# Altium PCB LKS_Motor_0313.PcbDoc (part 4 of 4)
Units mm, origin at the board's own origin, x right, y up, seen from the top; angles counter-clockwise.
Board outline 109.77 x 15.02 mm, 2 copper layers (Top Layer, Bottom Layer); 107 components, 73 nets, 326 pads, 198 vias.
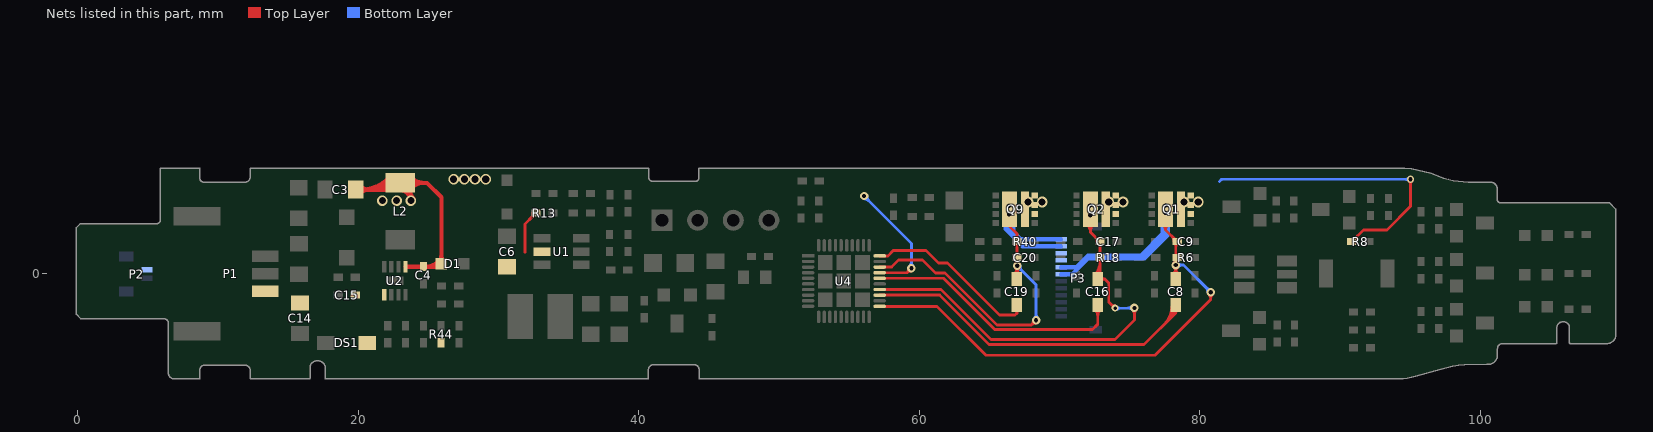
[diagram p4: the nets of this part, all layers, seen from the top]

## Via types
v1: diameter 0.635, hole 0.381, Top Layer to Bottom Layer, tented both sides, 102 vias
v2: diameter 0.6, hole 0.3, Top Layer to Bottom Layer, tented both sides, 36 vias
v3: diameter 0.508, hole 0.254, Top Layer to Bottom Layer, tented both sides, 19 vias
v4: diameter 0.762, hole 0.508, Top Layer to Bottom Layer, 10 vias
v5: diameter 0.5, hole 0.25, Top Layer to Bottom Layer, tented both sides, 8 vias
v6: diameter 0.6, hole 0.3, Top Layer to Bottom Layer, 6 vias
v7: diameter 0.508, hole 0.254, Top Layer to Bottom Layer, 5 vias
v8: diameter 0.5, hole 0.25, Top Layer to Bottom Layer, 4 vias
v9: diameter 0.762, hole 0.508, Top Layer to Bottom Layer, tented both sides, 4 vias
v10: diameter 0.762, hole 0.457, Top Layer to Bottom Layer, tented both sides, 3 vias
v11: diameter 0.508, hole 0.3, Top Layer to Bottom Layer, tented both sides, 1 vias

## Nets (pads, with @x,y where several pads share a name; then routed paths per layer and width w, separated by ;. In a path a pad name is that pad's centre, name@x,y a point inside that pad or via, vN(x,y) a via of type N, cw(c..) or ccw(c..) an arc to the next point about the centre after c; other vN are vias at no path point) (continued)
U: C19.1 C20.1 P3.1 P3.2 Q9.10 R40.2 U4.28 | length 125.5
  Top Layer w0.2: U4.28@57.17,0.47 58.026,0.47 58.522,0.965 60.223,0.965 61.151,0.038 61.836,0.038 65.532,-3.658 67.996,-3.658 ; C19.1@66.956,-0.375 R40.2@66.954,2.286 66.956,2.843 66.425,3.374 Q9.10@66.425,4.657 ; v2(68.326,-3.327) 67.996,-3.658 ; Q9.10@66.254,4.075 cw(c65.841,3.662) Q9.10@66.425,3.662 ; Q9.10@66.254,4.075 cw(c65.841,3.662) Q9.10@66.425,3.662 ; Q9.10@66.254,4.075 cw(c65.841,3.662) Q9.10@66.425,3.662 ; Q9.10@66.254,4.075 cw(c65.841,3.662) Q9.10@66.425,3.662 ; Q9.10@66.254,4.685 cw(c65.841,4.272) Q9.10@66.425,4.272 ; Q9.10@66.254,4.685 cw(c65.841,4.272) Q9.10@66.425,4.272 ; Q9.10@66.254,4.685 cw(c65.841,4.272) Q9.10@66.425,4.272 ; Q9.10@66.254,4.685 cw(c65.841,4.272) Q9.10@66.425,4.272 ; Q9.10@66.281,4.38 ccw(c66.088,4.657) Q9.10@66.425,4.657 ; Q9.10@66.281,4.38 ccw(c66.088,4.657) Q9.10@66.425,4.657 ; Q9.10@66.281,4.38 ccw(c66.088,4.657) Q9.10@66.425,4.657 ; Q9.10@66.281,4.38 ccw(c66.088,4.657) Q9.10@66.425,4.657 ; Q9.10@66.425,3.805 cw(c66.807,3.805) Q9.10@66.537,4.075 ; Q9.10@66.425,3.805 cw(c66.807,3.805) Q9.10@66.537,4.075 ; Q9.10@66.425,3.805 cw(c66.807,3.805) Q9.10@66.537,4.075 ; Q9.10@66.425,3.805 cw(c66.807,3.805) Q9.10@66.537,4.075 ; Q9.10@66.425,4.415 cw(c66.807,4.415) Q9.10@66.537,4.685 ; Q9.10@66.425,4.415 cw(c66.807,4.415) Q9.10@66.537,4.685 ; Q9.10@66.425,4.415 cw(c66.807,4.415) Q9.10@66.537,4.685 ; Q9.10@66.425,4.415 cw(c66.807,4.415) Q9.10@66.537,4.685 ; Q9.10@66.425,4.628 ccw(c66.807,4.628) Q9.10@66.537,4.358 ; Q9.10@66.425,4.628 ccw(c66.807,4.628) Q9.10@66.537,4.358 ; Q9.10@66.425,4.628 ccw(c66.807,4.628) Q9.10@66.537,4.358 ; Q9.10@66.425,4.628 ccw(c66.807,4.628) Q9.10@66.537,4.358 ; C19.1@66.757,-0.049 ccw(c66.278,0.431) v2@66.956,0.431 ; C19.1@66.757,-0.049 ccw(c66.278,0.431) v2@66.956,0.431 ; C19.1@66.757,-0.049 ccw(c66.278,0.431) v2@66.956,0.431 ; C19.1@66.757,-0.049 ccw(c66.278,0.431) v2@66.956,0.431 ; v2@66.838,0.417 cw(c66.554,0.133) 66.956,0.133 ; v2@66.838,0.417 cw(c66.554,0.133) 66.956,0.133 ; v2@66.838,0.417 cw(c66.554,0.133) 66.956,0.133 ; v2@66.838,0.417 cw(c66.554,0.133) 66.956,0.133 ; v2@66.838,0.7 ccw(c66.554,0.984) C20.1@66.956,0.984 ; v2@66.838,0.7 ccw(c66.554,0.984) C20.1@66.956,0.984 ; v2@66.838,0.7 ccw(c66.554,0.984) C20.1@66.956,0.984 ; v2@66.838,0.7 ccw(c66.554,0.984) C20.1@66.956,0.984 ; C20.1@66.846,1.034 cw(c66.579,0.767) v2@66.956,0.767 ; C20.1@66.846,1.034 cw(c66.579,0.767) v2@66.956,0.767 ; C20.1@66.846,1.034 cw(c66.579,0.767) v2@66.956,0.767 ; C20.1@66.846,1.034 cw(c66.579,0.767) v2@66.956,0.767 ; C20.1@66.846,1.252 ccw(c66.579,1.519) 66.956,1.519 ; C20.1@66.846,1.252 ccw(c66.579,1.519) 66.956,1.519 ; C20.1@66.846,1.252 ccw(c66.579,1.519) 66.956,1.519 ; C20.1@66.846,1.252 ccw(c66.579,1.519) 66.956,1.519 ; R40.2@66.846,2.177 cw(c66.579,1.91) 66.956,1.91 ; R40.2@66.846,2.177 cw(c66.579,1.91) 66.956,1.91 ; R40.2@66.846,2.177 cw(c66.579,1.91) 66.956,1.91 ; R40.2@66.846,2.177 cw(c66.579,1.91) 66.956,1.91 ; R40.2@66.846,2.395 ccw(c66.579,2.662) 66.956,2.662 ; R40.2@66.846,2.395 ccw(c66.579,2.662) 66.956,2.662 ; R40.2@66.846,2.395 ccw(c66.579,2.662) 66.956,2.662 ; R40.2@66.846,2.395 ccw(c66.579,2.662) 66.956,2.662 ; C19.1@66.956,0.019 cw(c67.52,0.019) v2@67.121,0.417 ; C19.1@66.956,0.019 cw(c67.52,0.019) v2@67.121,0.417 ; C19.1@66.956,0.019 cw(c67.52,0.019) v2@67.121,0.417 ; C19.1@66.956,0.019 cw(c67.52,0.019) v2@67.121,0.417 ; v2@66.956,0.431 ccw(c67.634,0.431) C19.1@67.155,-0.049 ; v2@66.956,0.431 ccw(c67.634,0.431) C19.1@67.155,-0.049 ; v2@66.956,0.431 ccw(c67.634,0.431) C19.1@67.155,-0.049 ; v2@66.956,0.431 ccw(c67.634,0.431) C19.1@67.155,-0.049 ; v2@66.956,0.775 cw(c67.322,0.775) C20.1@67.063,1.034 ; v2@66.956,0.775 cw(c67.322,0.775) C20.1@67.063,1.034 ; v2@66.956,0.775 cw(c67.322,0.775) C20.1@67.063,1.034 ; v2@66.956,0.775 cw(c67.322,0.775) C20.1@67.063,1.034 ; C20.1@66.956,1.099 ccw(c67.52,1.099) v2@67.121,0.7 ; C20.1@66.956,1.099 ccw(c67.52,1.099) v2@67.121,0.7 ; C20.1@66.956,1.099 ccw(c67.52,1.099) v2@67.121,0.7 ; C20.1@66.956,1.099 ccw(c67.52,1.099) v2@67.121,0.7 ; 66.956,1.511 ccw(c67.322,1.511) C20.1@67.063,1.252 ; 66.956,1.511 ccw(c67.322,1.511) C20.1@67.063,1.252 ; 66.956,1.511 ccw(c67.322,1.511) C20.1@67.063,1.252 ; 66.956,1.511 ccw(c67.322,1.511) C20.1@67.063,1.252 ; 66.956,1.918 cw(c67.322,1.918) R40.2@67.063,2.177 ; 66.956,1.918 cw(c67.322,1.918) R40.2@67.063,2.177 ; 66.956,1.918 cw(c67.322,1.918) R40.2@67.063,2.177 ; 66.956,1.918 cw(c67.322,1.918) R40.2@67.063,2.177 ; 66.956,2.654 ccw(c67.322,2.654) R40.2@67.063,2.395 ; 66.956,2.654 ccw(c67.322,2.654) R40.2@67.063,2.395 ; 66.956,2.654 ccw(c67.322,2.654) R40.2@67.063,2.395 ; 66.956,2.654 ccw(c67.322,2.654) R40.2@67.063,2.395 ; 67.996,-3.658 cw(c68.311,-3.972) v2@68.321,-3.527 ; 67.996,-3.658 ccw(c67.681,-3.343) v2@68.126,-3.332 ; 67.996,-3.658 cw(c68.311,-3.972) v2@68.321,-3.527 ; 67.996,-3.658 ccw(c67.681,-3.343) v2@68.126,-3.332 ; 67.996,-3.658 cw(c68.311,-3.972) v2@68.321,-3.527 ; 67.996,-3.658 ccw(c67.681,-3.343) v2@68.126,-3.332 ; 67.996,-3.658 cw(c68.311,-3.972) v2@68.321,-3.527 ; 67.996,-3.658 ccw(c67.681,-3.343) v2@68.126,-3.332
  Bottom Layer w0.2: v2(66.98,0.559) 68.326,-0.787 v2(68.326,-3.327) ; v2@66.98,0.359 cw(c66.98,-0.124) 67.321,0.217 ; v2@66.98,0.359 cw(c66.98,-0.124) 67.321,0.217 ; v2@66.98,0.359 cw(c66.98,-0.124) 67.321,0.217 ; v2@66.98,0.359 cw(c66.98,-0.124) 67.321,0.217 ; v2@67.18,0.559 ccw(c67.663,0.559) 67.321,0.217 ; v2@67.18,0.559 ccw(c67.663,0.559) 67.321,0.217 ; v2@67.18,0.559 ccw(c67.663,0.559) 67.321,0.217 ; v2@67.18,0.559 ccw(c67.663,0.559) 67.321,0.217 ; v2@68.185,-3.186 ccw(c67.843,-2.845) 68.326,-2.845 ; v2@68.185,-3.186 ccw(c67.843,-2.845) 68.326,-2.845 ; v2@68.185,-3.186 ccw(c67.843,-2.845) 68.326,-2.845 ; v2@68.185,-3.186 ccw(c67.843,-2.845) 68.326,-2.845 ; 68.326,-2.845 ccw(c68.809,-2.845) v2@68.467,-3.186 ; 68.326,-2.845 ccw(c68.809,-2.845) v2@68.467,-3.186 ; 68.326,-2.845 ccw(c68.809,-2.845) v2@68.467,-3.186 ; 68.326,-2.845 ccw(c68.809,-2.845) v2@68.467,-3.186
  Bottom Layer w0.3: v6(66.396,4.826) 66.396,3.251 67.195,2.452 ; v6@66.497,5.029 66.497,3.15 66.692,2.955 ; 66.87,2.777 66.7,2.946 66.7,5.029 ; 67.742,1.952 67.695,1.952 67.195,2.452 ; P3.2@70.104,1.952 67.365,1.952 66.142,3.175 66.142,5.029 ; P3.1@70.104,2.452 67.195,2.452 ; 66.142,3.241 cw(c67.371,3.241) v6@66.502,4.11 ; 66.142,3.241 cw(c67.371,3.241) v6@66.502,4.11 ; 66.142,3.241 cw(c67.371,3.241) v6@66.502,4.11 ; 66.142,3.241 cw(c67.371,3.241) v6@66.502,4.11 ; 66.142,3.851 cw(c67.371,3.851) v6@66.502,4.72 ; 66.142,3.851 cw(c67.371,3.851) v6@66.502,4.72 ; 66.142,3.851 cw(c67.371,3.851) v6@66.502,4.72 ; 66.142,3.851 cw(c67.371,3.851) v6@66.502,4.72 ; 66.142,3.965 cw(c66.647,3.965) v6@66.29,4.322 ; 66.142,3.965 cw(c66.647,3.965) v6@66.29,4.322 ; 66.142,3.965 cw(c66.647,3.965) v6@66.29,4.322 ; 66.142,3.965 cw(c66.647,3.965) v6@66.29,4.322 ; 66.142,4.426 ccw(c66.554,4.426) v6@66.305,4.097 ; 66.142,4.426 ccw(c66.554,4.426) v6@66.305,4.097 ; 66.142,4.426 ccw(c66.554,4.426) v6@66.305,4.097 ; 66.142,4.426 ccw(c66.554,4.426) v6@66.305,4.097 ; 66.142,4.575 cw(c66.647,4.575) v6@66.29,4.932 ; 66.142,4.575 cw(c66.647,4.575) v6@66.29,4.932 ; 66.142,4.575 cw(c66.647,4.575) v6@66.29,4.932 ; 66.142,4.575 cw(c66.647,4.575) v6@66.29,4.932 ; 66.142,5.029 ccw(c67.011,5.029) v6@66.486,4.336 ; 66.142,5.029 ccw(c67.011,5.029) v6@66.486,4.336 ; 66.142,5.029 ccw(c67.011,5.029) v6@66.486,4.336 ; 66.142,5.029 ccw(c67.011,5.029) v6@66.486,4.336 ; 66.142,5.029 66.7,5.029 ; v6@66.29,4.11 cw(c66.033,3.854) 66.396,3.854 ; v6@66.29,4.11 cw(c65.298,3.118) 66.7,3.118 ; v6@66.29,4.11 cw(c65.788,3.609) 66.497,3.609 ; v6@66.29,4.11 cw(c66.033,3.854) 66.396,3.854 ; v6@66.29,4.11 cw(c65.298,3.118) 66.7,3.118 ; v6@66.29,4.11 cw(c65.788,3.609) 66.497,3.609 ; v6@66.29,4.11 cw(c66.033,3.854) 66.396,3.854 ; v6@66.29,4.11 cw(c65.298,3.118) 66.7,3.118 ; v6@66.29,4.11 cw(c65.788,3.609) 66.497,3.609 ; v6@66.29,4.11 cw(c66.033,3.854) 66.396,3.854 ; v6@66.29,4.11 cw(c65.298,3.118) 66.7,3.118 ; v6@66.29,4.11 cw(c65.788,3.609) 66.497,3.609 ; v6@66.29,4.322 ccw(c66.033,4.579) v6@66.396,4.579 ; v6@66.29,4.322 ccw(c65.788,4.824) v6@66.497,4.824 ; v6@66.29,4.322 ccw(c66.033,4.579) v6@66.396,4.579 ; v6@66.29,4.322 ccw(c65.788,4.824) v6@66.497,4.824 ; v6@66.29,4.322 ccw(c66.033,4.579) v6@66.396,4.579 ; v6@66.29,4.322 ccw(c65.788,4.824) v6@66.497,4.824 ; v6@66.29,4.322 ccw(c66.033,4.579) v6@66.396,4.579 ; v6@66.29,4.322 ccw(c65.788,4.824) v6@66.497,4.824 ; v6@66.29,4.72 cw(c66.033,4.464) v6@66.396,4.464 ; v6@66.29,4.72 cw(c65.298,3.728) 66.7,3.728 ; v6@66.29,4.72 cw(c65.788,4.219) v6@66.497,4.219 ; v6@66.29,4.72 cw(c66.033,4.464) v6@66.396,4.464 ; v6@66.29,4.72 cw(c65.298,3.728) 66.7,3.728 ; v6@66.29,4.72 cw(c65.788,4.219) v6@66.497,4.219 ; v6@66.29,4.72 cw(c66.033,4.464) v6@66.396,4.464 ; v6@66.29,4.72 cw(c65.298,3.728) 66.7,3.728 ; v6@66.29,4.72 cw(c65.788,4.219) v6@66.497,4.219 ; v6@66.29,4.72 cw(c66.033,4.464) v6@66.396,4.464 ; v6@66.29,4.72 cw(c65.298,3.728) 66.7,3.728 ; v6@66.29,4.72 cw(c65.788,4.219) v6@66.497,4.219 ; v6@66.317,4.344 ccw(c65.897,5.029) 66.7,5.029 ; v6@66.317,4.344 ccw(c65.897,5.029) 66.7,5.029 ; v6@66.317,4.344 ccw(c65.897,5.029) 66.7,5.029 ; v6@66.317,4.344 ccw(c65.897,5.029) 66.7,5.029 ; 66.396,3.854 cw(c66.758,3.854) v6@66.502,4.11 ; 66.396,3.854 cw(c66.758,3.854) v6@66.502,4.11 ; 66.396,3.854 cw(c66.758,3.854) v6@66.502,4.11 ; 66.396,3.854 cw(c66.758,3.854) v6@66.502,4.11 ; v6@66.396,4.464 cw(c66.758,4.464) v6@66.502,4.72 ; v6@66.396,4.464 cw(c66.758,4.464) v6@66.502,4.72 ; v6@66.396,4.464 cw(c66.758,4.464) v6@66.502,4.72 ; v6@66.396,4.464 cw(c66.758,4.464) v6@66.502,4.72 ; v6@66.396,4.579 ccw(c66.758,4.579) v6@66.502,4.322 ; v6@66.396,4.579 ccw(c66.758,4.579) v6@66.502,4.322 ; v6@66.396,4.579 ccw(c66.758,4.579) v6@66.502,4.322 ; v6@66.396,4.579 ccw(c66.758,4.579) v6@66.502,4.322 ; v6@66.474,4.089 ccw(c66.226,4.493) 66.7,4.493 ; v6@66.474,4.089 ccw(c66.226,4.493) 66.7,4.493 ; v6@66.474,4.089 ccw(c66.226,4.493) 66.7,4.493 ; v6@66.474,4.089 ccw(c66.226,4.493) 66.7,4.493 ; v6@66.502,4.322 cw(c66.022,3.843) 66.7,3.843 ; v6@66.502,4.322 cw(c66.022,3.843) 66.7,3.843 ; v6@66.502,4.322 cw(c66.022,3.843) 66.7,3.843 ; v6@66.502,4.322 cw(c66.022,3.843) 66.7,3.843 ; v6@66.502,4.932 cw(c66.022,4.452) 66.7,4.452 ; v6@66.502,4.932 cw(c66.022,4.452) 66.7,4.452 ; v6@66.502,4.932 cw(c66.022,4.452) 66.7,4.452 ; v6@66.502,4.932 cw(c66.022,4.452) 66.7,4.452
  other v6: 66.396,4.216
V: C16.1 C17.1 P3.3 P3.4 Q2.10 R18.2 U4.24 | length 73.4
  Top Layer w0.2: U4.24@57.17,-1.13 61.531,-1.13 65.1,-4.699 73.939,-4.699 75.336,-3.302 v2(75.336,-2.438) ; v6(72.187,4.851) 72.187,2.972 ; C16.1@73.001,-0.737 72.72,-0.456 C16.1@72.72,-0.375 ; v5(73.965,-2.464) 73.508,-2.007 73.508,-0.66 73.222,-0.375 ; Q2.10@71.926,3.502 cw(c71.516,2.972) 72.187,2.972 ; Q2.10@71.926,3.502 cw(c71.516,2.972) 72.187,2.972 ; Q2.10@71.926,3.502 cw(c71.516,2.972) 72.187,2.972 ; Q2.10@71.926,3.502 cw(c71.516,2.972) 72.187,2.972 ; Q2.10@72.045,4.024 cw(c71.704,3.683) Q2.10@72.187,3.683 ; Q2.10@72.045,4.024 cw(c71.704,3.683) Q2.10@72.187,3.683 ; Q2.10@72.045,4.024 cw(c71.704,3.683) Q2.10@72.187,3.683 ; Q2.10@72.045,4.024 cw(c71.704,3.683) Q2.10@72.187,3.683 ; Q2.10@72.045,4.307 ccw(c71.704,4.648) Q2.10@72.187,4.648 ; Q2.10@72.045,4.307 ccw(c71.704,4.648) Q2.10@72.187,4.648 ; Q2.10@72.045,4.307 ccw(c71.704,4.648) Q2.10@72.187,4.648 ; Q2.10@72.045,4.307 ccw(c71.704,4.648) Q2.10@72.187,4.648 ; Q2.10@72.045,4.71 cw(c71.704,4.369) Q2.10@72.187,4.369 ; Q2.10@72.045,4.71 cw(c71.704,4.369) Q2.10@72.187,4.369 ; Q2.10@72.045,4.71 cw(c71.704,4.369) Q2.10@72.187,4.369 ; Q2.10@72.045,4.71 cw(c71.704,4.369) Q2.10@72.187,4.369 ; 72.187,2.972 cw(c72.844,2.972) Q2.10@72.451,3.498 ; 72.187,2.972 cw(c72.844,2.972) Q2.10@72.451,3.498 ; 72.187,2.972 cw(c72.844,2.972) Q2.10@72.451,3.498 ; 72.187,2.972 cw(c72.844,2.972) Q2.10@72.451,3.498 ; 72.187,2.972 72.642,2.516 72.642,2.44 72.796,2.286 C17.1@72.873,2.286 R18.2@72.873,1.143 72.873,-0.222 C16.1@72.72,-0.375 ; Q2.10@72.187,3.683 cw(c72.67,3.683) Q2.10@72.328,4.024 ; Q2.10@72.187,3.683 cw(c72.67,3.683) Q2.10@72.328,4.024 ; Q2.10@72.187,3.683 cw(c72.67,3.683) Q2.10@72.328,4.024 ; Q2.10@72.187,3.683 cw(c72.67,3.683) Q2.10@72.328,4.024 ; Q2.10@72.187,4.369 cw(c72.67,4.369) Q2.10@72.328,4.71 ; Q2.10@72.187,4.369 cw(c72.67,4.369) Q2.10@72.328,4.71 ; Q2.10@72.187,4.369 cw(c72.67,4.369) Q2.10@72.328,4.71 ; Q2.10@72.187,4.369 cw(c72.67,4.369) Q2.10@72.328,4.71 ; Q2.10@72.187,4.648 ccw(c72.67,4.648) Q2.10@72.328,4.307 ; Q2.10@72.187,4.648 ccw(c72.67,4.648) Q2.10@72.328,4.307 ; Q2.10@72.187,4.648 ccw(c72.67,4.648) Q2.10@72.328,4.307 ; Q2.10@72.187,4.648 ccw(c72.67,4.648) Q2.10@72.328,4.307 ; 72.48,2.679 cw(c72.087,2.286) C17.1@72.642,2.286 ; 72.48,2.679 cw(c72.087,2.286) C17.1@72.642,2.286 ; 72.48,2.679 cw(c72.087,2.286) C17.1@72.642,2.286 ; 72.48,2.679 cw(c72.087,2.286) C17.1@72.642,2.286 ; C16.1@72.522,-0.049 ccw(c71.674,0.799) 72.873,0.799 ; C16.1@72.522,-0.049 ccw(c71.674,0.799) 72.873,0.799 ; C16.1@72.522,-0.049 ccw(c71.674,0.799) 72.873,0.799 ; C16.1@72.522,-0.049 ccw(c71.674,0.799) 72.873,0.799 ; C16.1@72.663,-0.191 ccw(c72.157,0.316) 72.873,0.316 ; C16.1@72.663,-0.191 ccw(c72.157,0.316) 72.873,0.316 ; C16.1@72.663,-0.191 ccw(c72.157,0.316) 72.873,0.316 ; C16.1@72.663,-0.191 ccw(c72.157,0.316) 72.873,0.316 ; C16.1@72.72,-0.375 73.222,-0.375 ; R18.2@72.764,1.034 cw(c72.501,0.771) 72.873,0.771 ; R18.2@72.764,1.034 cw(c72.501,0.771) 72.873,0.771 ; R18.2@72.764,1.034 cw(c72.501,0.771) 72.873,0.771 ; R18.2@72.764,1.034 cw(c72.501,0.771) 72.873,0.771 ; R18.2@72.764,1.252 ccw(c72.501,1.515) 72.873,1.515 ; R18.2@72.764,1.252 ccw(c72.501,1.515) 72.873,1.515 ; R18.2@72.764,1.252 ccw(c72.501,1.515) 72.873,1.515 ; R18.2@72.764,1.252 ccw(c72.501,1.515) 72.873,1.515 ; C17.1@72.764,2.177 cw(c72.501,1.914) 72.873,1.914 ; C17.1@72.764,2.177 cw(c72.501,1.914) 72.873,1.914 ; C17.1@72.764,2.177 cw(c72.501,1.914) 72.873,1.914 ; C17.1@72.764,2.177 cw(c72.501,1.914) 72.873,1.914 ; 72.873,0.771 cw(c73.244,0.771) R18.2@72.981,1.034 ; 72.873,0.771 cw(c73.244,0.771) R18.2@72.981,1.034 ; 72.873,0.771 cw(c73.244,0.771) R18.2@72.981,1.034 ; 72.873,0.771 cw(c73.244,0.771) R18.2@72.981,1.034 ; 72.873,1.515 ccw(c73.244,1.515) R18.2@72.981,1.252 ; 72.873,1.515 ccw(c73.244,1.515) R18.2@72.981,1.252 ; 72.873,1.515 ccw(c73.244,1.515) R18.2@72.981,1.252 ; 72.873,1.515 ccw(c73.244,1.515) R18.2@72.981,1.252 ; 72.873,1.914 cw(c73.244,1.914) C17.1@72.981,2.177 ; 72.873,1.914 cw(c73.244,1.914) C17.1@72.981,2.177 ; 72.873,1.914 cw(c73.244,1.914) C17.1@72.981,2.177 ; 72.873,1.914 cw(c73.244,1.914) C17.1@72.981,2.177 ; C16.1@72.96,-0.522 cw(c73.222,-0.682) 73.222,-0.375 ; C16.1@72.96,-0.522 cw(c73.222,-0.682) 73.222,-0.375 ; C16.1@72.96,-0.522 cw(c73.222,-0.682) 73.222,-0.375 ; C16.1@72.96,-0.522 cw(c73.222,-0.682) 73.222,-0.375 ; C16.1@72.96,-0.228 ccw(c73.222,-0.067) 73.222,-0.375 ; C16.1@72.96,-0.228 ccw(c73.222,-0.067) 73.222,-0.375 ; C16.1@72.96,-0.228 ccw(c73.222,-0.067) 73.222,-0.375 ; C16.1@72.96,-0.228 ccw(c73.222,-0.067) 73.222,-0.375 ; 73.709,-2.208 cw(c73.453,-2.464) v5@73.815,-2.464 ; 73.709,-2.208 ccw(c73.965,-1.952) v5@73.965,-2.314 ; 73.709,-2.208 cw(c73.453,-2.464) v5@73.815,-2.464 ; 73.709,-2.208 ccw(c73.965,-1.952) v5@73.965,-2.314 ; 73.709,-2.208 cw(c73.453,-2.464) v5@73.815,-2.464 ; 73.709,-2.208 ccw(c73.965,-1.952) v5@73.965,-2.314 ; 73.709,-2.208 cw(c73.453,-2.464) v5@73.815,-2.464 ; 73.709,-2.208 ccw(c73.965,-1.952) v5@73.965,-2.314 ; v2@75.195,-2.58 cw(c74.854,-2.921) 75.336,-2.921 ; v2@75.195,-2.58 cw(c74.854,-2.921) 75.336,-2.921 ; v2@75.195,-2.58 cw(c74.854,-2.921) 75.336,-2.921 ; v2@75.195,-2.58 cw(c74.854,-2.921) 75.336,-2.921 ; 75.336,-2.921 cw(c75.819,-2.921) v2@75.478,-2.58 ; 75.336,-2.921 cw(c75.819,-2.921) v2@75.478,-2.58 ; 75.336,-2.921 cw(c75.819,-2.921) v2@75.478,-2.58 ; 75.336,-2.921 cw(c75.819,-2.921) v2@75.478,-2.58
  Bottom Layer w0.2: v5(73.965,-2.464) 75.311,-2.464 v2(75.336,-2.438) ; v5@74.071,-2.57 cw(c74.327,-2.826) 74.327,-2.464 ; v5@74.071,-2.57 cw(c74.327,-2.826) 74.327,-2.464 ; v5@74.071,-2.57 cw(c74.327,-2.826) 74.327,-2.464 ; v5@74.071,-2.57 cw(c74.327,-2.826) 74.327,-2.464 ; v5@74.071,-2.358 ccw(c74.327,-2.102) 74.327,-2.464 ; v5@74.071,-2.358 ccw(c74.327,-2.102) 74.327,-2.464 ; v5@74.071,-2.358 ccw(c74.327,-2.102) 74.327,-2.464 ; v5@74.071,-2.358 ccw(c74.327,-2.102) 74.327,-2.464 ; 74.792,-2.464 ccw(c74.792,-1.894) v2@75.195,-2.297 ; 74.792,-2.464 ccw(c74.792,-1.894) v2@75.195,-2.297 ; 74.792,-2.464 ccw(c74.792,-1.894) v2@75.195,-2.297 ; 74.792,-2.464 ccw(c74.792,-1.894) v2@75.195,-2.297 ; 74.915,-2.464 cw(c74.915,-2.86) v2@75.195,-2.58 ; 74.915,-2.464 cw(c74.915,-2.86) v2@75.195,-2.58 ; 74.915,-2.464 cw(c74.915,-2.86) v2@75.195,-2.58 ; 74.915,-2.464 cw(c74.915,-2.86) v2@75.195,-2.58
  other v6: 72.187,4.166
VB1: C19.2 U4.30 | length 14.6
  Top Layer w0.2: U4.30@57.17,1.27 57.76,1.27 58.141,1.651 60.477,1.651 61.367,0.762 62.002,0.762 65.71,-2.946 66.827,-2.946 66.956,-2.818 ; C19.2@66.956,-2.229 66.956,-2.818 ; C19.2@66.827,-2.606 cw(c66.717,-2.818) 66.956,-2.818 ; C19.2@66.827,-2.606 cw(c66.717,-2.818) 66.956,-2.818 ; C19.2@66.827,-2.606 cw(c66.717,-2.818) 66.956,-2.818 ; C19.2@66.827,-2.606 cw(c66.717,-2.818) 66.956,-2.818 ; 66.956,-2.818 cw(c67.195,-2.818) C19.2@67.085,-2.606 ; 66.956,-2.818 cw(c67.195,-2.818) C19.2@67.085,-2.606 ; 66.956,-2.818 cw(c67.195,-2.818) C19.2@67.085,-2.606 ; 66.956,-2.818 cw(c67.195,-2.818) C19.2@67.085,-2.606
VB2: C16.2 U4.26 | length 22.5
  Top Layer w0.2: U4.26@57.17,-0.33 61.722,-0.33 65.38,-3.988 72.339,-3.988 72.72,-3.607 C16.2@72.72,-2.629 ; C16.2@72.522,-2.555 cw(c72.042,-3.034) 72.72,-3.034 ; C16.2@72.522,-2.555 cw(c72.042,-3.034) 72.72,-3.034 ; C16.2@72.522,-2.555 cw(c72.042,-3.034) 72.72,-3.034 ; C16.2@72.522,-2.555 cw(c72.042,-3.034) 72.72,-3.034 ; 72.72,-3.034 cw(c73.399,-3.034) C16.2@72.919,-2.555 ; 72.72,-3.034 cw(c73.399,-3.034) C16.2@72.919,-2.555 ; 72.72,-3.034 cw(c73.399,-3.034) C16.2@72.919,-2.555 ; 72.72,-3.034 cw(c73.399,-3.034) C16.2@72.919,-2.555
VB3: C8.2 U4.23 | length 37.8
  Top Layer w0.2: U4.23@57.17,-1.53 61.449,-1.53 64.973,-5.055 76.022,-5.055 78.28,-2.797 ; C8.2@78.28,-2.229 78.28,-2.797 ; 77.488,-3.589 ccw(c76.255,-2.356) C8.2@77.999,-2.356 ; 77.488,-3.589 ccw(c76.255,-2.356) C8.2@77.999,-2.356 ; 77.488,-3.589 ccw(c76.255,-2.356) C8.2@77.999,-2.356 ; 77.488,-3.589 ccw(c76.255,-2.356) C8.2@77.999,-2.356 ; 77.829,-3.247 ccw(c76.938,-2.356) C8.2@78.199,-2.356 ; 77.829,-3.247 ccw(c76.938,-2.356) C8.2@78.199,-2.356 ; 77.829,-3.247 ccw(c76.938,-2.356) C8.2@78.199,-2.356 ; 77.829,-3.247 ccw(c76.938,-2.356) C8.2@78.199,-2.356 ; C8.2@78.161,-2.611 cw(c78.074,-2.797) 78.28,-2.797 ; C8.2@78.161,-2.611 cw(c78.074,-2.797) 78.28,-2.797 ; C8.2@78.161,-2.611 cw(c78.074,-2.797) 78.28,-2.797 ; C8.2@78.161,-2.611 cw(c78.074,-2.797) 78.28,-2.797 ; 78.171,-2.906 ccw(c77.621,-2.356) C8.2@78.399,-2.356 ; 78.171,-2.906 ccw(c77.621,-2.356) C8.2@78.399,-2.356 ; 78.171,-2.906 ccw(c77.621,-2.356) C8.2@78.399,-2.356 ; 78.171,-2.906 ccw(c77.621,-2.356) C8.2@78.399,-2.356 ; 78.28,-2.797 cw(c78.485,-2.797) C8.2@78.398,-2.611 ; 78.28,-2.797 cw(c78.485,-2.797) C8.2@78.398,-2.611 ; 78.28,-2.797 cw(c78.485,-2.797) C8.2@78.398,-2.611 ; 78.28,-2.797 cw(c78.485,-2.797) C8.2@78.398,-2.611
VBAT_8V4: C6.2 C14.2 C15.2 DS1.1 P1.3 Q1.2 Q1.3 Q1.4 Q1.9 Q2.2 Q2.3 Q2.4 Q2.9 Q9.2 Q9.3 Q9.4 Q9.9 R8.2 R13.1 R44.1 U1.5 U2.5 U4.27 | length 48.7
  Top Layer w0.203: 31.877,1.524 31.877,3.531 32.436,4.089 32.436,4.166 32.588,4.318 R13.1@32.664,4.318 ; U4.27@57.17,0.07 59.119,0.07 59.43,0.381 v2(59.436,0.381) ; R8.2@90.83,2.286 90.907,2.286 91.059,2.438 91.059,2.515 91.669,3.124 93.338,3.124 95.021,4.808 v11(95.021,6.731) ; 32.274,3.928 ccw(c31.884,4.318) R13.1@32.436,4.318 ; 32.274,3.928 ccw(c31.884,4.318) R13.1@32.436,4.318 ; 32.274,3.928 ccw(c31.884,4.318) R13.1@32.436,4.318 ; 32.274,3.928 ccw(c31.884,4.318) R13.1@32.436,4.318 ; 59.115,0.067 cw(c59.398,-0.216) v2@59.423,0.183 ; 59.115,0.067 ccw(c58.82,0.363) v2@59.238,0.375 ; 59.115,0.067 cw(c59.398,-0.216) v2@59.423,0.183 ; 59.115,0.067 ccw(c58.82,0.363) v2@59.238,0.375 ; 59.115,0.067 cw(c59.398,-0.216) v2@59.423,0.183 ; 59.115,0.067 ccw(c58.82,0.363) v2@59.238,0.375 ; 59.115,0.067 cw(c59.398,-0.216) v2@59.423,0.183 ; 59.115,0.067 ccw(c58.82,0.363) v2@59.238,0.375 ; R8.2@91.059,2.286 cw(c91.611,2.286) 91.221,2.676 ; R8.2@91.059,2.286 cw(c91.611,2.286) 91.221,2.676 ; R8.2@91.059,2.286 cw(c91.611,2.286) 91.221,2.676 ; R8.2@91.059,2.286 cw(c91.611,2.286) 91.221,2.676 ; v11@94.914,6.623 cw(c94.653,6.363) 95.021,6.363 ; v11@94.914,6.623 cw(c94.653,6.363) 95.021,6.363 ; v11@94.914,6.623 cw(c94.653,6.363) 95.021,6.363 ; 95.021,6.363 cw(c95.389,6.363) v11@95.129,6.623 ; 95.021,6.363 cw(c95.389,6.363) v11@95.129,6.623 ; 95.021,6.363 cw(c95.389,6.363) v11@95.129,6.623